# Altium PCB 400236.PcbDoc (part 1 of 5)
Units mm, origin at the board's own origin, x right, y up, seen from the top; angles counter-clockwise.
Board outline 136.53 x 63.5 mm, 4 copper layers (Top Layer, Mid-Layer 1, Mid-Layer 2, Bottom Layer), stack 1.505 mm thick; 340 components, 230 nets, 1369 pads, 1292 vias.
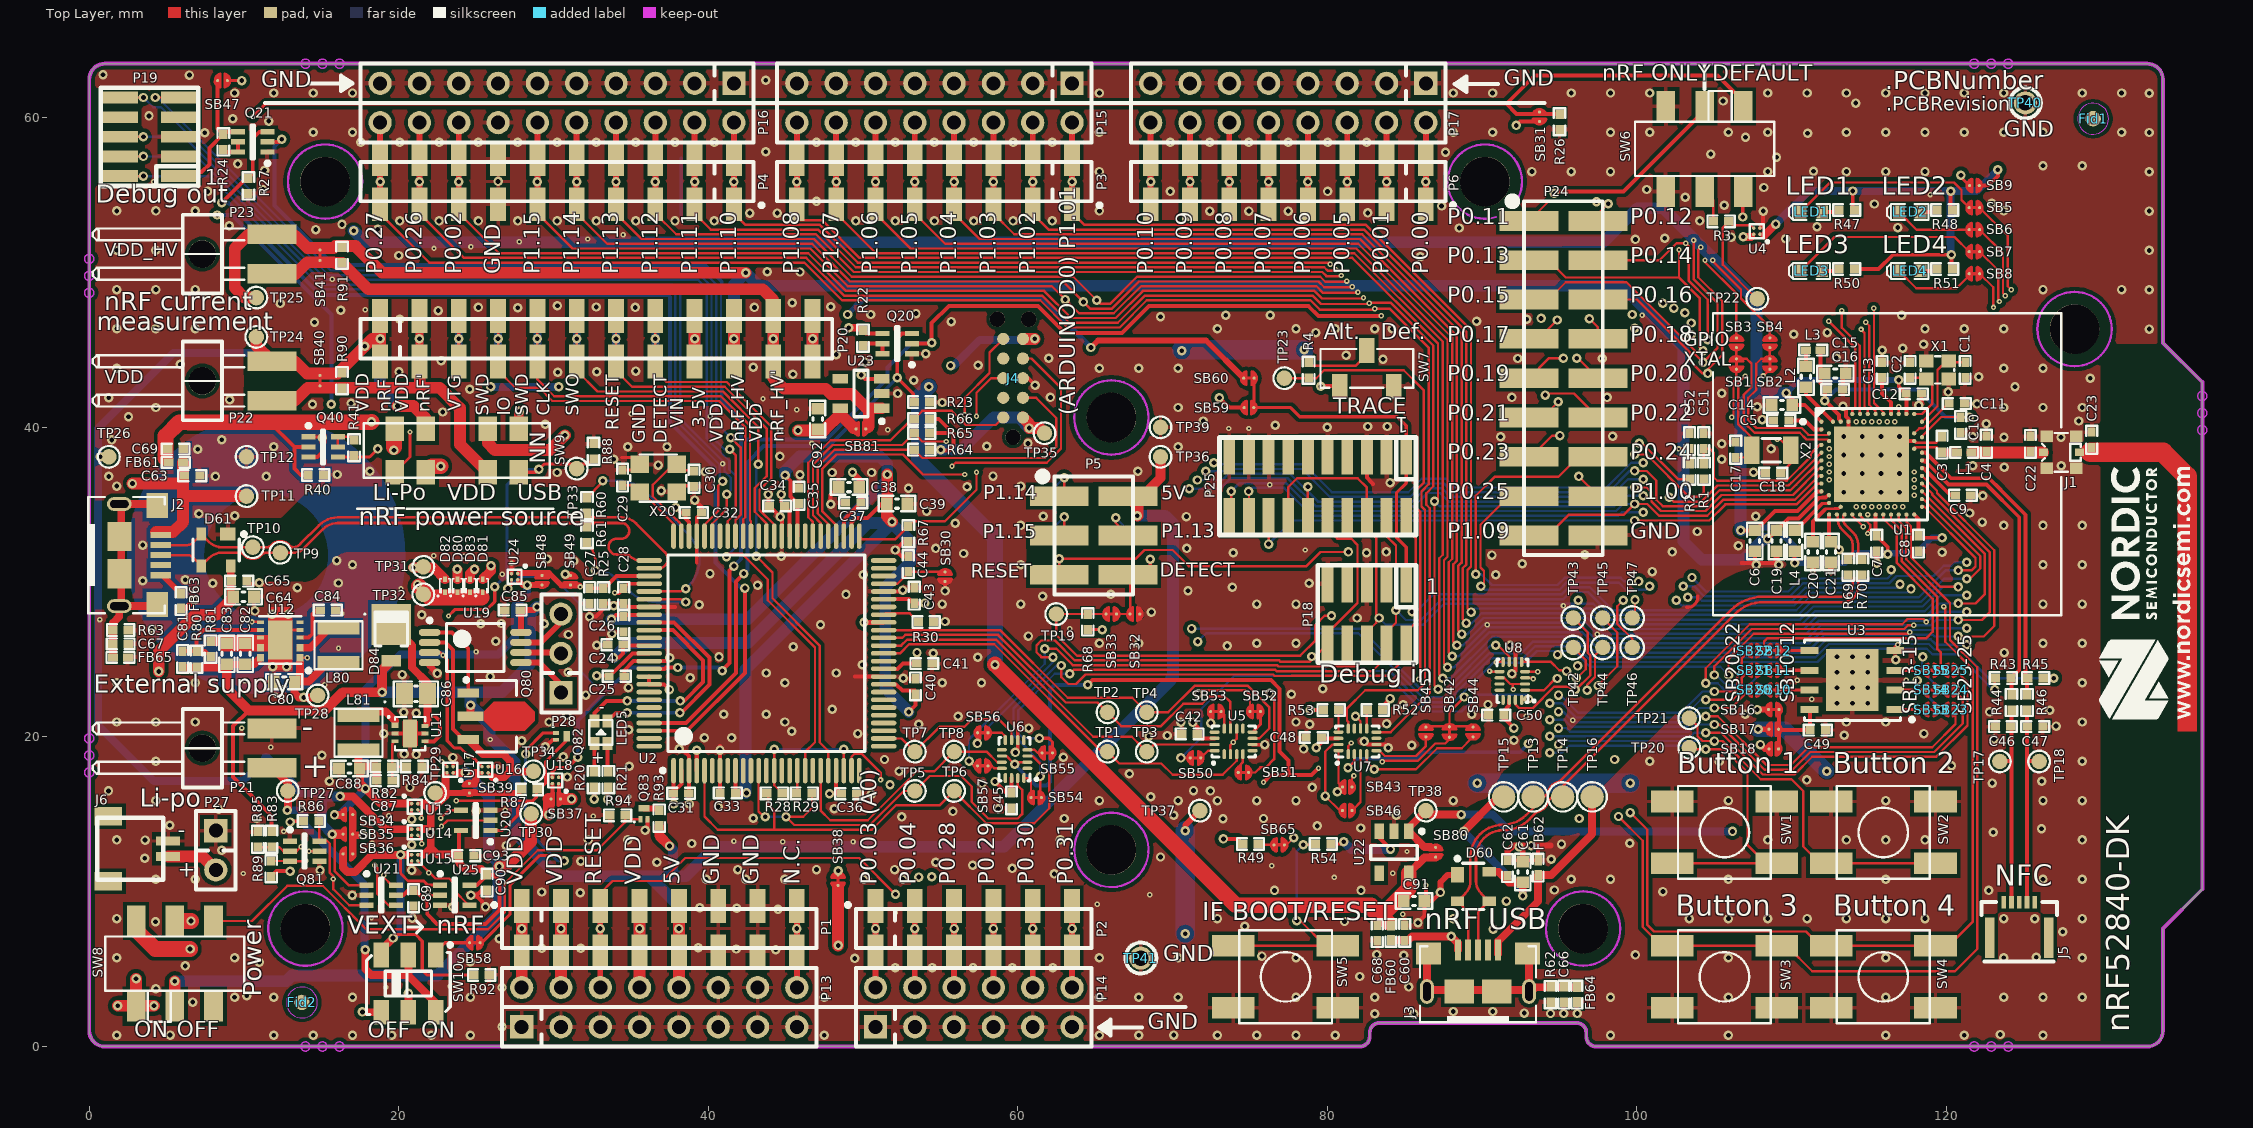
[diagram p0: Top Layer view]
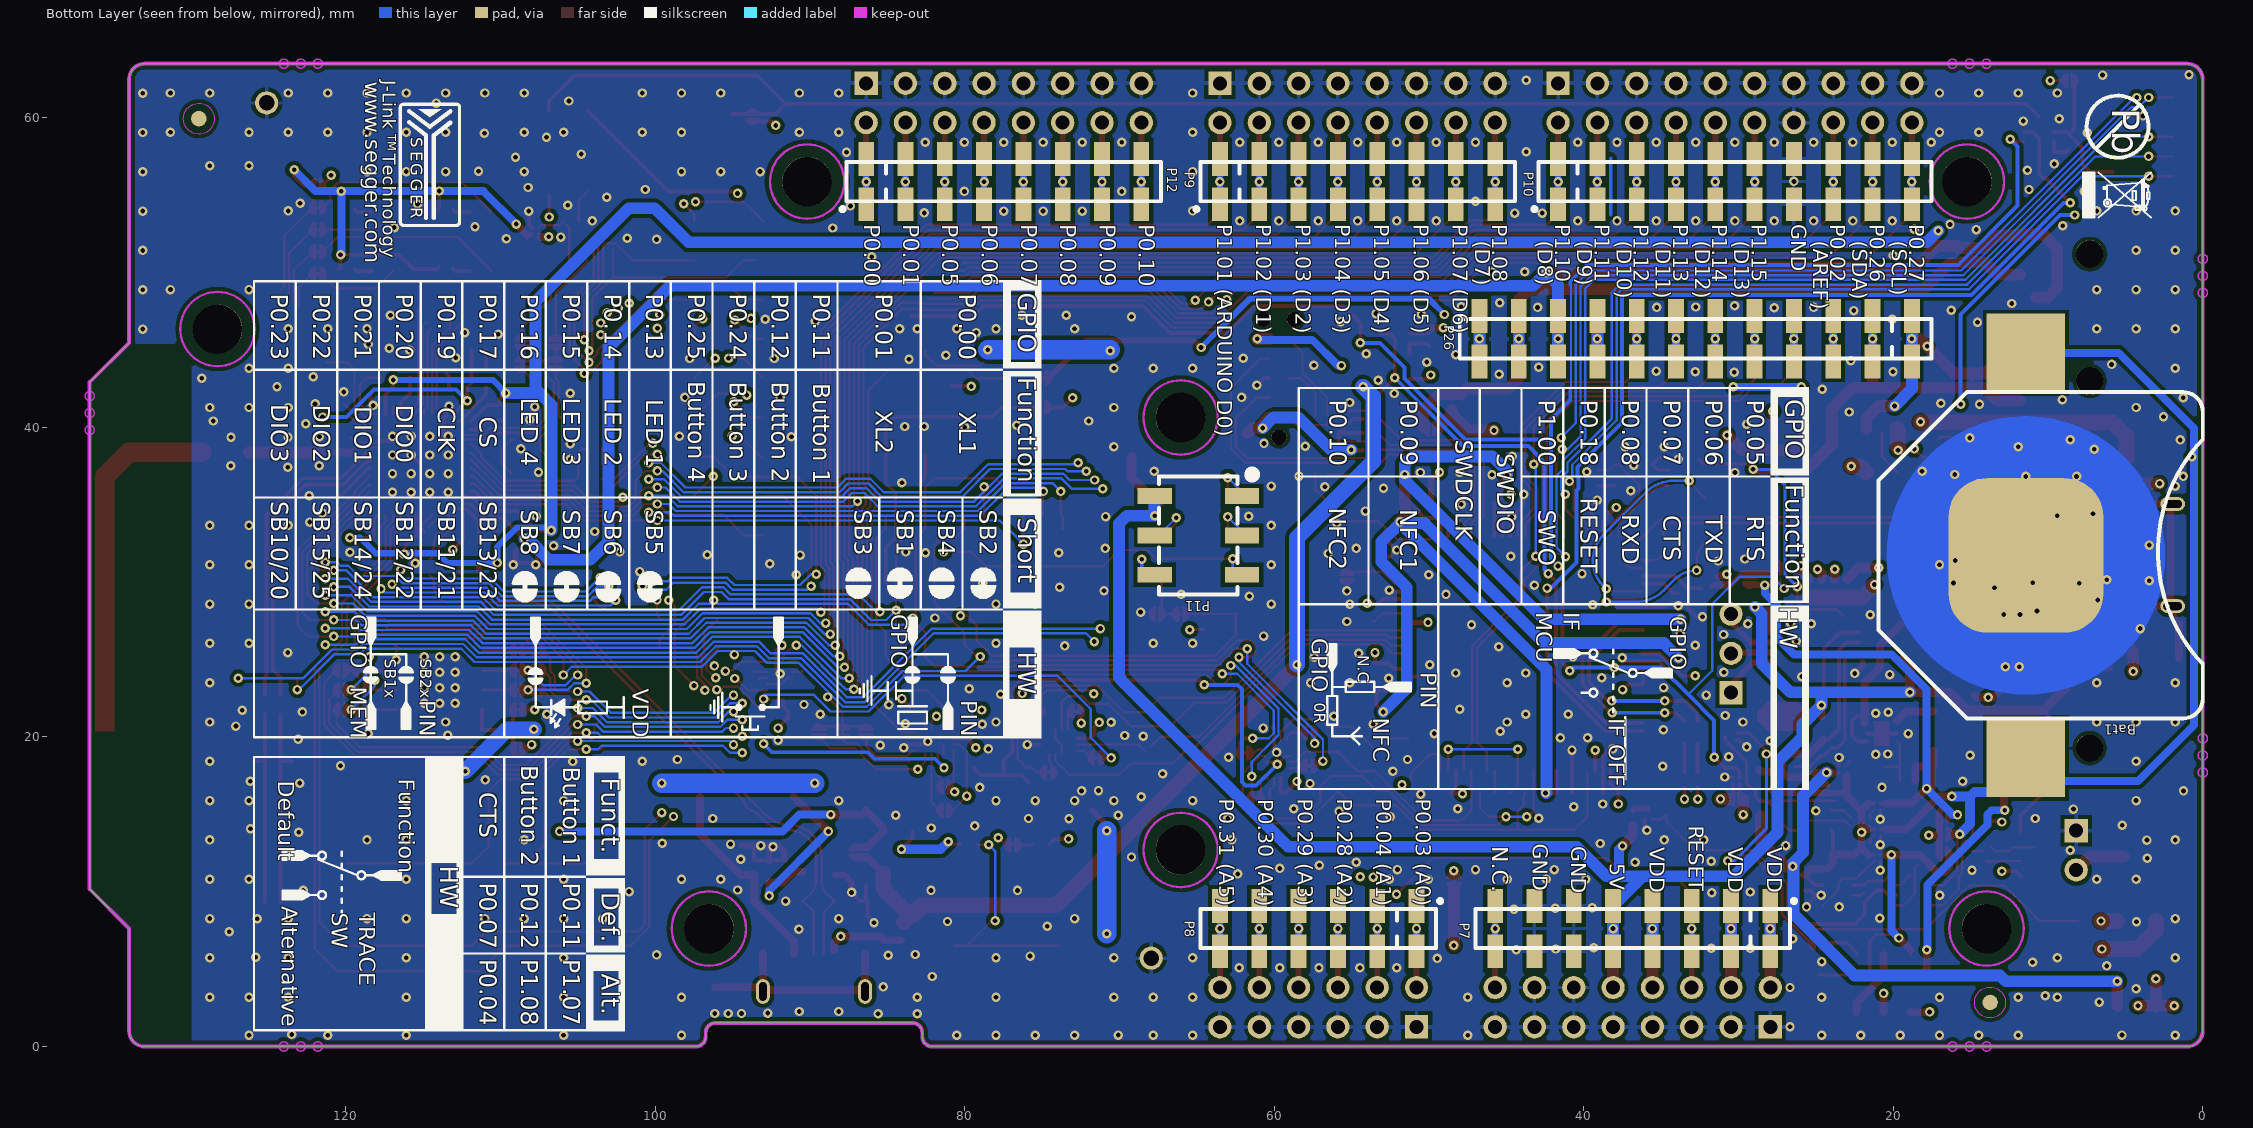
[diagram p1: Bottom Layer view, seen from below]
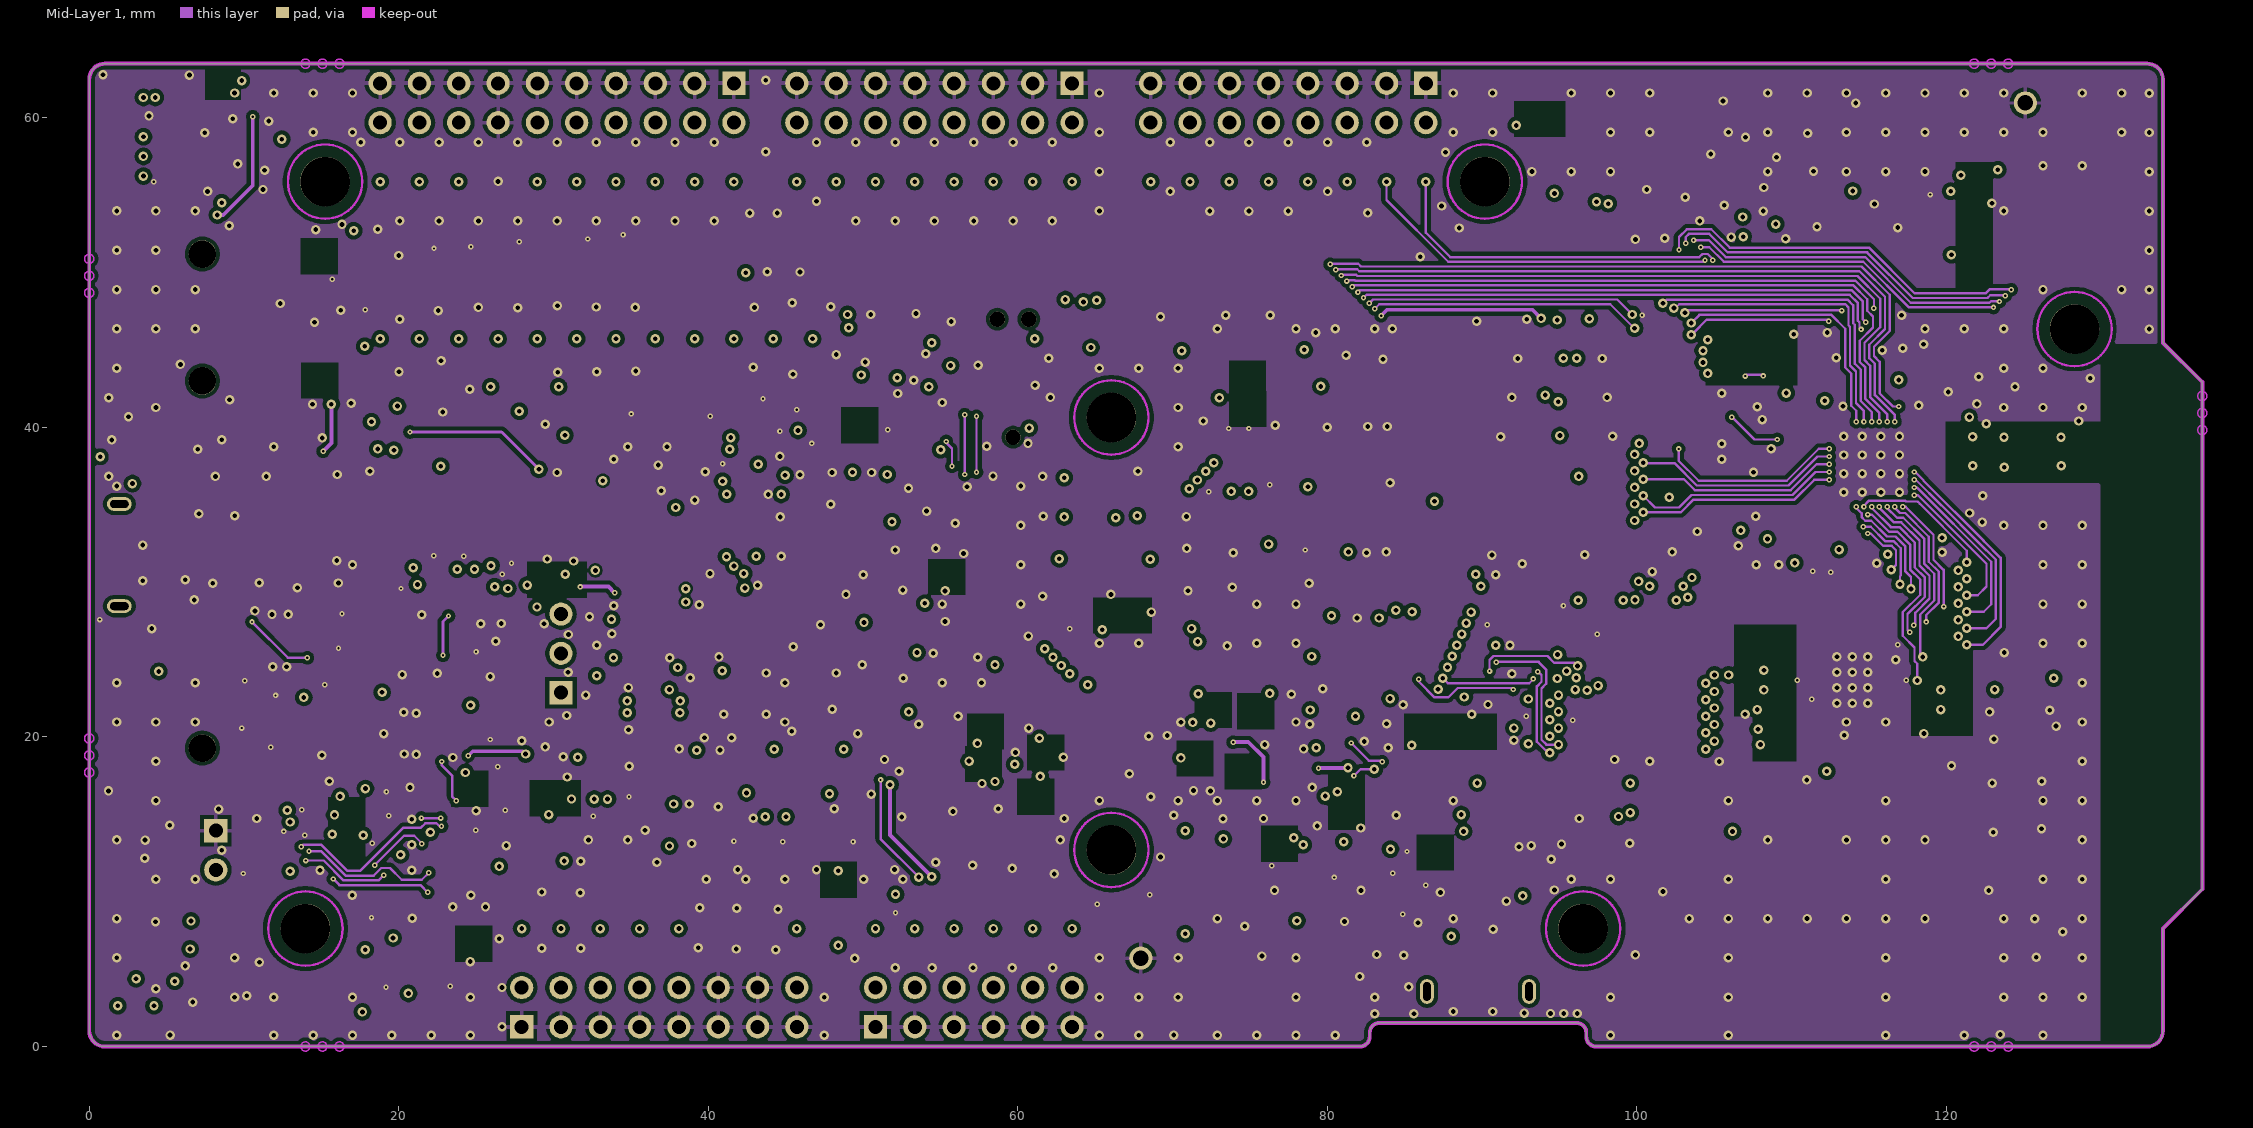
[diagram p2: Mid-Layer 1]
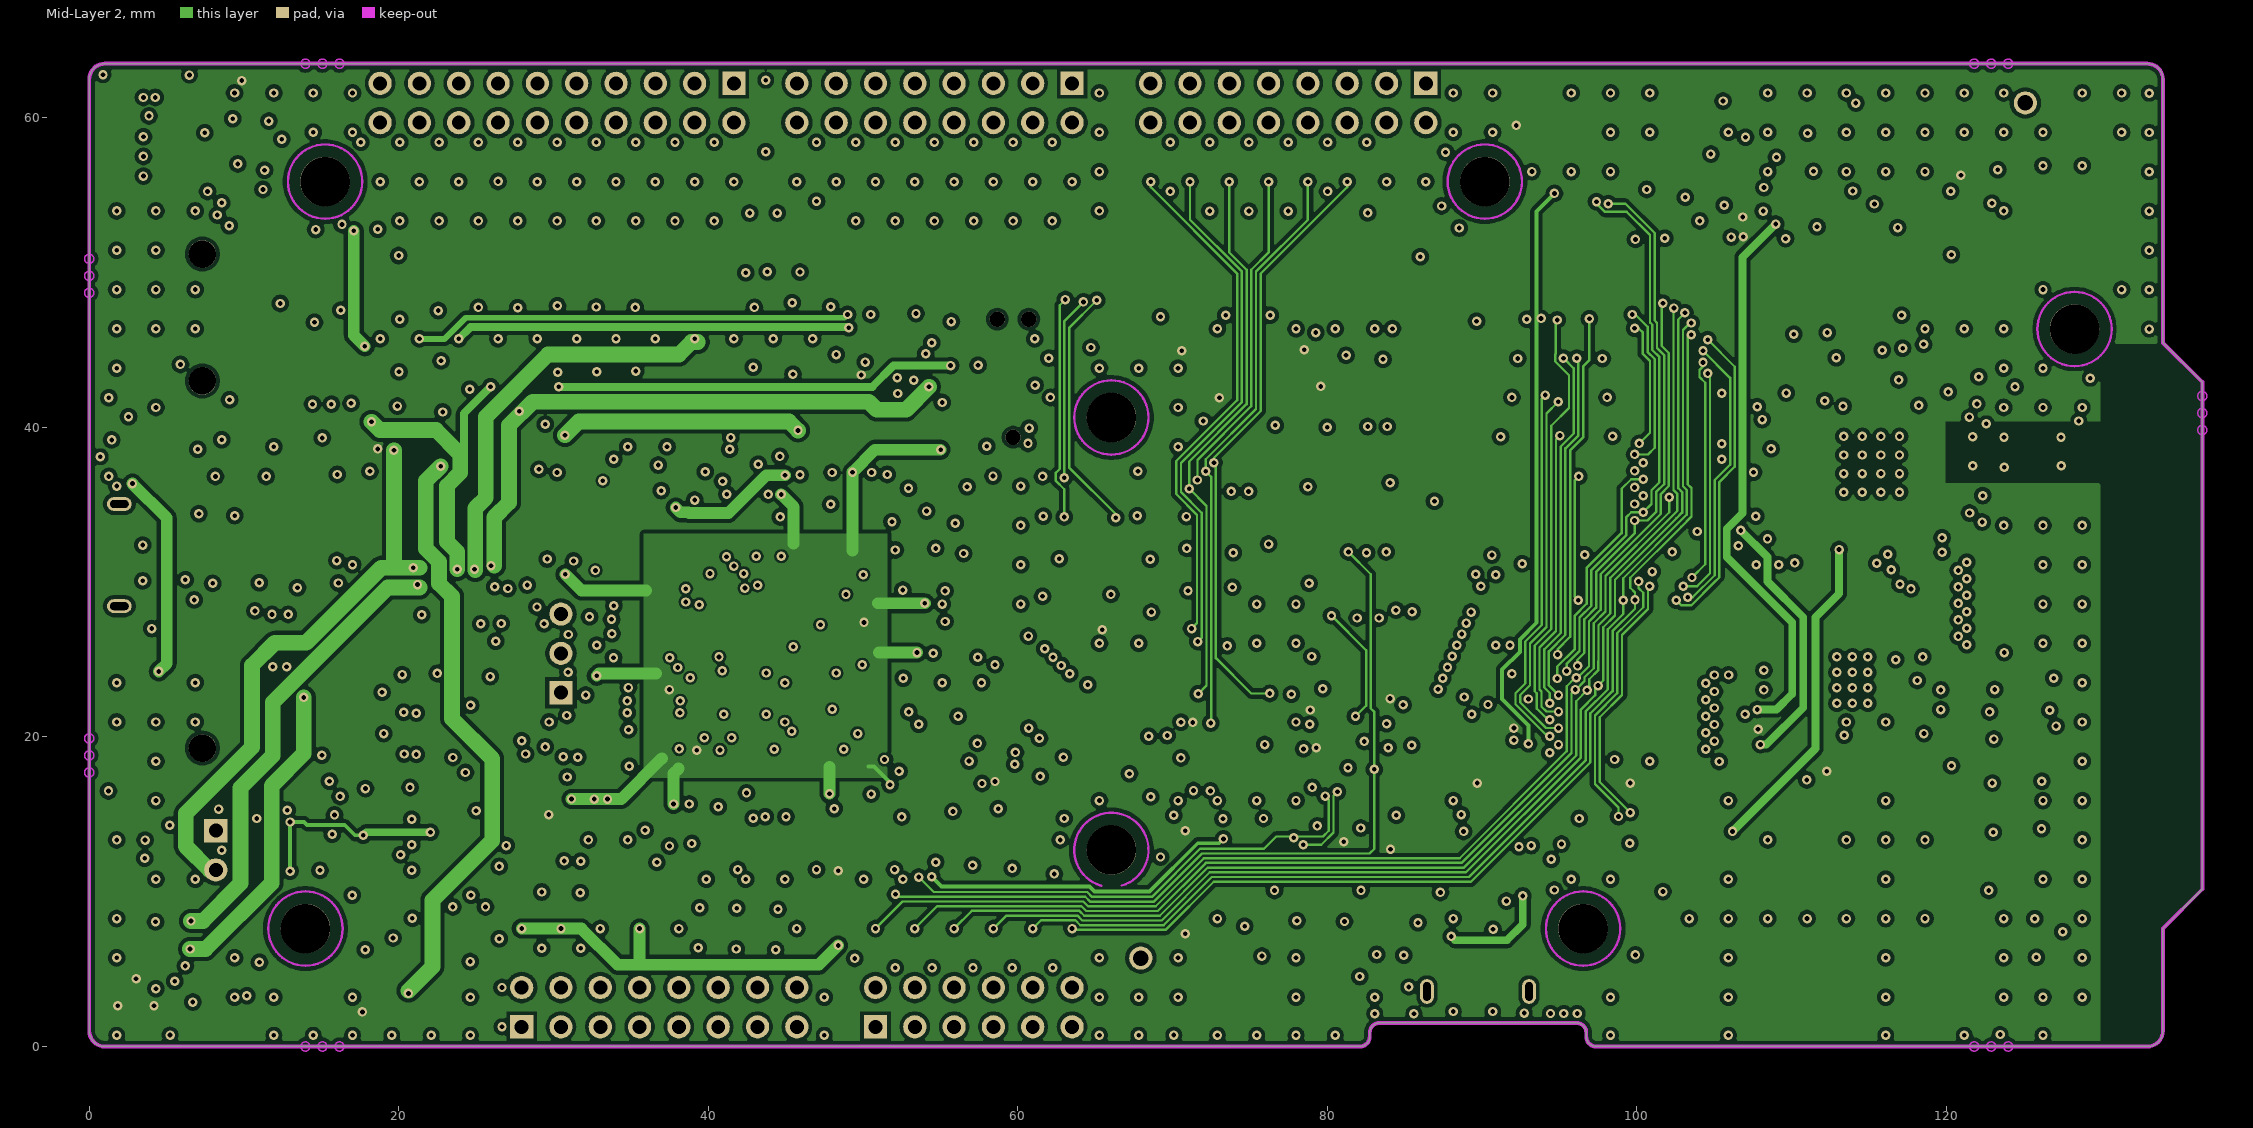
[diagram p3: Mid-Layer 2]
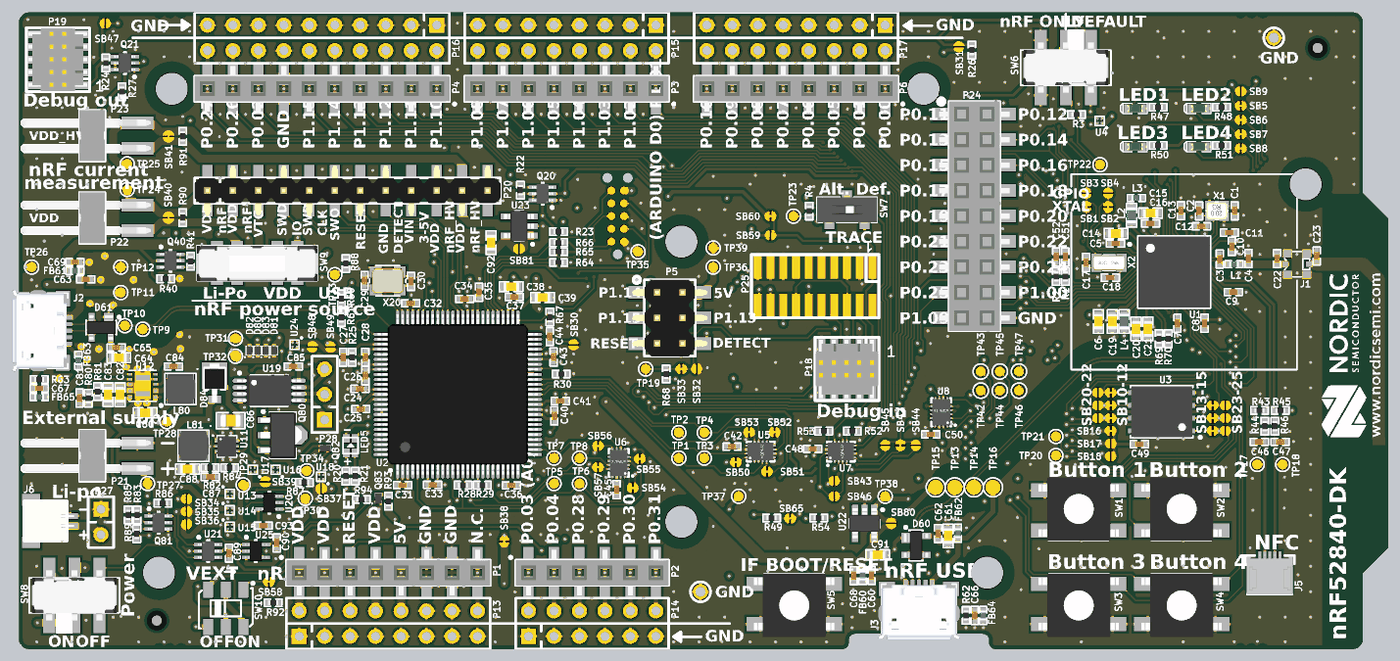
[diagram p8: 3D render of the assembled board from above, using the file's embedded part models]

## Layer stack, top to bottom
Top Solder: solder mask 0.0475, Solder Resist, Dk 3.5
Top Layer: signal copper 0.0175
Dielectric1: prepreg 0.1, FR-4, Dk 3.72
Mid-Layer 1: signal copper 0.035
Dielectric2: core 1.2, FR-4, Dk 3.72
Mid-Layer 2: signal copper 0.035
Dielectric3: prepreg 0.1, FR-4, Dk 3.72
Bottom Layer: signal copper 0.0175
Bottom Solder: solder mask 0.0475, Solder Resist, Dk 3.5

## Board outline
1.016,0 82.099,0 ccw(c82.099,0.635) 82.734,0.635 82.734,0.889 cw(c83.369,0.889) 83.369,1.524 96.09,1.524 cw(c96.09,0.889) 96.725,0.889 96.725,0.635 ccw(c97.36,0.635) 97.36,0 132.969,0 ccw(c132.969,1.016) 133.985,1.016 133.985,7.62 136.525,10.16 136.525,42.926 133.985,45.466 133.985,62.484 ccw(c132.969,62.484) 132.969,63.5 1.016,63.5 ccw(c1.016,62.484) 0,62.484 0,1.016 ccw(c1.016,1.016)

## Design rules (kind name [scope] priority, off if disabled: settings)
Clearance USB_Poly_Clearance [InNamedPolygon('Top_Layer-GND') vs InDifferentialPair('D') or InDifferentialPair('D*')] p1: gap=1.778 ignorepadtopadclearanceinfootprint=FALSE
Clearance "NPTH clearance" [Not PadIsPlated And HoleSize > 0] p2: gap=0.229 ignorepadtopadclearanceinfootprint=FALSE except(0: Arc-Hole Track-Hole SMDPad-Hole THPad-Hole Via-Hole Fill-Hole Poly-Hole Region-Hole Text-Hole)
Clearance USB_Clearance [(InDifferentialPairClass('All Differential Pairs'))] p3: gap=0.152 ignorepadtopadclearanceinfootprint=FALSE except(0: Arc-Hole Track-Hole SMDPad-Hole THPad-Hole Via-Hole Fill-Hole Poly-Hole Region-Hole Text-Hole)
Clearance ANT_Clerance [InNet('ANT')] p4: gap=0.2 ignorepadtopadclearanceinfootprint=FALSE
Clearance Polygon_Clearance [(InNamedPolygon('Top_Layer-GND')) or (InNamedPolygon('Bottom_Layer-GND')) or (InNamedPolygon('Mid_Layer_1-GND')) or (InNamedPolygon('Mid_Layer_2-VDD'))] p5: gap=0.254 ignorepadtopadclearanceinfootprint=FALSE except(0: Arc-Hole Track-Hole SMDPad-Hole THPad-Hole Via-Hole Fill-Hole Poly-Hole Region-Hole Text-Hole)
Clearance SB_Clearance [HasFootprint('Solderbridge') or HasFootprint('QFN40P180X140X55-10N')] p6: gap=0.127 ignorepadtopadclearanceinfootprint=FALSE except(0: Arc-Hole Track-Hole SMDPad-Hole THPad-Hole Via-Hole Fill-Hole Poly-Hole Region-Hole Text-Hole)
Clearance CSP_Clearance [HasFootprint('BGA4C40P2X2_76X76X62')] p7: gap=0.127 ignorepadtopadclearanceinfootprint=FALSE except(0: Arc-Hole Track-Hole SMDPad-Hole THPad-Hole Via-Hole Fill-Hole Poly-Hole Region-Hole Text-Hole)
Clearance P23_Clearance [HasFootprint('FPC_05P-0.5mm-RA-SMD')] p8: gap=0.127 ignorepadtopadclearanceinfootprint=FALSE except(0: Arc-Hole Track-Hole SMDPad-Hole THPad-Hole Via-Hole Fill-Hole Poly-Hole Region-Hole Text-Hole)
Clearance PSON35P100X50-8N_Clearance [HasFootprint('PSON35P100X50-8N')] p9: gap=0.15 ignorepadtopadclearanceinfootprint=FALSE except(0: Arc-Hole Track-Hole SMDPad-Hole THPad-Hole Via-Hole Fill-Hole Poly-Hole Region-Hole Text-Hole)
Clearance Top_layer_Clearance [All vs OnLayer('Top Layer')] p10: gap=0.145 ignorepadtopadclearanceinfootprint=FALSE
Clearance [All] p11: gap=0.15 ignorepadtopadclearanceinfootprint=FALSE except(0: Arc-Hole Track-Hole SMDPad-Hole THPad-Hole Via-Hole Fill-Hole Poly-Hole Region-Hole Text-Hole)
ComponentClearance [All] p1 off: gap=0.254 collisioncheckmode=3 verticalgap=0.254 showdistances=FALSE
DiffPairsRouting [All] p1: maxlimit=0.193 minlimit=0.191 mostfreqgap=0.193 toplayer_minwidth=0.165 toplayer_maxwidth=0.165 toplayer_prefwidth=0.165 midlayer1_minwidth=0.165 midlayer1_maxwidth=0.165 midlayer1_prefwidth=0.165 midlayer2_minwidth=0.165 midlayer2_maxwidth=0.165 midlayer2_prefwidth=0.165 bottomlayer_minwidth=0.165 bottomlayer_maxwidth=0.165 bottomlayer_prefwidth=0.165 maxuncoupledlength=12.7
FabricationTestPointUsage TestPointUsage [All] p1: valid=0 allowmultiple=FALSE
FabricationTestpoint Testpoint [All] p1: side=3 testpointundercomponent=TRUE minsize=1.016 maxsize=2.54 preferedsize=1.524 minholesize=0 maxholesize=1.016 preferedholesize=0.813 testpointgrid=0.025 allowsidetop=TRUE allowsidebottom=TRUE usegrid=TRUE gridtolerance=0
Height [All] p1 off: minheight=0 maxheight=25.4 prefheight=12.7
HoleSize [All] p1: absolutevalues=TRUE maxlimit=5 minlimit=0.15 maxpercent=80.000 minpercent=20.000
MinimumAnnularRing [All] p1 off: minimumring=0.152
NetAntennae NetAntennae_ANT [InNet('ANT')] p1: netantennaetolerance=40
NetAntennae [All] p2: netantennaetolerance=0
PolygonConnect PolygonConnect_1 [isVia and innet(gnd) or isVia and innet('VDD') or HasFootprint('COAXIAL-SWF') or isVia and innet('VDD_SAM')] p1: connectstyle=Direct reliefconductorwidth=0.254 reliefentries=4 polygonreliefangle="90 Angle" airgapwidth=0.254
PolygonConnect [All] p2: connectstyle=Relief reliefconductorwidth=0.254 reliefentries=4 polygonreliefangle="90 Angle" airgapwidth=0.254
RoutingVias [All] p1: holewidth=0.305 width=0.61 viastyle="Through Hole" minholewidth=0.15 minwidth=0.35 maxholewidth=0.305 maxwidth=0.61
SilkToSolderMaskClearance SilkscreenOverComponentPads [IsPad] p1: minsilkscreentomaskgap=0.254 clearancetoexposedcopper=TRUE
SolderMaskExpansion [All] p1: expansion=0.076
UnpouredPolygon [All] p1 off:
Width Width_Diff [(InDifferentialPairClass('All Differential Pairs'))] p1: maxlimit=0.165 minlimit=0.165 preferedwidth=0.165
Width [All] p2: maxlimit=10.16 minlimit=0.145 preferedwidth=0.152 midlayer1_minwidth=0.152 midlayer2_minwidth=0.152 bottomlayer_minwidth=0.152 minimp=50.000000 maximp=50.000000 favimp=50.000000
21 further rules are at their usual default settings.

## Classes and differential pairs
differential pair D: +D_P -D_N
differential pair D*: +D*_P -D*_N
differential pair DHSD: +DHSD_P -DHSD_N
differential pair DFSD: +DFSD_P -DFSD_N

## Components (designator, comment, footprint, x,y, rotation, side; value= is the part's Value field where it differs from the comment)
Bat1 "Bat Holder CR2032" CR2032_HOLDER_SMD 11.43,31.735 r270 bottom locked
C1 "12pF" CAPC1005X04L 121.203,43.713 r270 top
C2 "12pF" CAPC1005X04L 117.647,43.713 r90 top
C3 "1.0pF" CAPC1005X04L 119.715,38.893 r270 top
C4 "1.0pF" CAPC1005X04L 122.57,38.938 r270 top
C5 "100nF" CAPC1005X04L 109.324,40.455 r180 top
C6 "4.7µF" CAPC1608X06L 107.613,32.667 r270 top
C7 "100nF" CAPC1005X04L 115.49,32.492 r270 top
C8 "100nF" CAPC1005X04L 118.189,32.492 r270 top
C9 "820pF" CAPC1005X04L 121.064,35.617 r0 top
C10 "N.C." CAPC1005X04L 120.919,40.157 r90 top
C11 "100pF" CAPC1005X04L 120.664,41.542 r0 top
C12 "100nF" CAPC1005X04L 117.889,42.167 r0 top
C13 "N.C." CAPC1005X04L 115.839,43.717 r90 top
C14 "1.0µF" CAPC1608X06L 109.364,41.444 r180 top
C15 "1.0µF" CAPC1608X06L 112.814,43.481 r180 top
C16 "47nF" CAPC1005X04L 112.801,42.443 r0 top
C17 "12pF" CAPC1005X04L 106.385,38.55 r270 top
C18 "12pF" CAPC1005X04L 108.798,37.052 r0 top
C19 "4.7µF" CAPC1608X06L 109.014,32.667 r270 top
C20 "4.7µF" CAPC1608X06L 111.364,31.942 r270 top
C21 "4.7µF" CAPC1608X06L 112.539,31.942 r270 top
C22 "N.C." CAPC1005X04L 125.423,38.935 r90 top
C23 "1.2pF" CAPC1005X04L 129.379,39.204 r90 top
C24 "100nF" CAPC1005X04L 34.001,25.959 r0 top
C25 "100nF" CAPC1005X04L 34.077,23.927 r180 top
C26 "100nF" CAPC1005X04L 34.534,27.28 r90 top
C27 "10pF" CAPC1005X04L 32.324,29.108 r90 top
C28 "100nF" CAPC1005X04L 34.534,29.108 r90 top
C29 "18pF" CAPC1005X04L 34.458,36.754 r90 top
C30 "18pF" CAPC1005X04L 39.081,36.678 r270 top
C31 "100nF" CAPC1005X04L 38.242,16.358 r180 top
C32 "100nF" CAPC1005X04L 39.055,34.493 r0 top
C33 "100nF" CAPC1005X04L 41.25,16.383 r0 top
C34 "100nF" CAPC1005X04L 44.44,34.925 r0 top
C35 "100nF" CAPC1005X04L 45.862,35.585 r270 top
C36 "100nF" CAPC1005X04L 49.098,16.332 r180 top
C37 "100nF" CAPC1005X04L 49.368,35.128 r0 top
C38 "10µF" CAPC1608X06L 49.088,36.144 r0 top
C39 "10µF" CAPC1608X06L 52.197,35.077 r180 top
C40 "100nF" CAPC1005X04L 53.381,23.266 r270 top
C41 "100nF" CAPC1005X04L 53.965,24.74 r180 top
C42 "100nF" CAPC1005X04L 71.095,20.193 r0 top
C43 "100nF" CAPC1005X04L 53.305,29.134 r270 top
C44 "10nF" CAPC1005X04L 52.924,31.166 r270 top
C45 "100nF" CAPC1005X04L 59.588,15.9 r90 top
C46 "300pF" CAPC1005X04L 123.647,20.669 r180 top
C47 "300pF" CAPC1005X04L 125.73,20.669 r180 top
C48 "100nF" CAPC1005X04L 79.121,19.964 r0 top
C49 "100nF" CAPC1005X04L 111.684,20.447 r180 top
C50 "100nF" CAPC1005X04L 90.907,21.412 r0 top
C51 "N.C." CAPC1005X04L 104.318,39.116 r270 top
C52 "N.C." CAPC1005X04L 103.403,39.116 r90 top
C60 "10nF" CAPC1005X04L 84.995,7.341 r270 top
C61 "10µF" CAPC1608X06L 92.623,11.278 r270 top
C62 "100nF" CAPC1005X04L 91.632,11.532 r270 top
C63 "10nF" CAPC1005X04L 6.655,36.881 r0 top
C64 "10µF" CAPC1608X06L 9.972,29.058 r180 top
C65 "100nF" CAPC1005X04L 9.693,30.074 r180 top
C66 "100nF" CAPC1005X04L 95.282,3.355 r90 top
C67 "100nF" CAPC1005X04L 2.028,26.01 r180 top
C68 "100nF" CAPC1005X04L 83.223,7.328 r90 top
C69 "100nF" CAPC1005X04L 5.578,38.6 r180 top
C80 "10µF" CAPC1608X06L 12.598,23.571 r0 top
C81 "15pF" CAPC1005X04L 6.045,25.044 r270 top
C82 "10µF" CAPC1608X06L 10.084,25.375 r270 top
C83 "10µF" CAPC1608X06L 8.89,25.375 r270 top
C84 "470nF" CAPC1005X04L 15.418,28.194 r180 top
C85 "100nF" CAPC1005X04L 27.356,28.194 r0 top
C86 "4.7µF" CAPC2012X11L 21.107,22.784 r0 top
C87 "150pF" CAPC1005X04L 19.075,17.17 r180 top
C88 "10µF" CAPC1608X06L 16.815,17.958 r0 top
C89 "100nF" CAPC1005X04L 20.955,9.576 r90 top
C90 "100nF" CAPC1005X04L 25.705,10.592 r90 top
C91 "1.0µF" CAPC1608X06L 85.598,9.398 r180 top
C92 "1.0µF" CAPC1608X06L 47.066,40.538 r270 top
C93 "100nF" CAPC1005X04L 24.359,12.319 r180 top
D60 "PRTR5V0U2X" SOT190P230X110-4L 89.427,10.34 r0 top
D61 "PRTR5V0U2X" SOT190P230X110-4L 8.194,32.08 r270 top
D80 "NSR0620P2T5G" SODFL100X40-2N 23.8,29.766 r90 top
D81 "NSR0620P2T5G" SODFL100X40-2N 25.425,29.766 r90 top
D82 "NSR0620P2T5G" SODFL100X40-2N 22.987,29.766 r90 top
D83 "NSR0620P2T5G" SODFL100X40-2N 24.613,29.766 r90 top
D84 "MBRM110E" DO-216AA 19.507,26.568 r270 top
FB60 "120R/0.55A" INDC1005X04L 84.106,7.341 r90 top
FB61 "120R/0.55A" INDC1005X04L 5.585,37.734 r180 top
FB62 "120R/0.55A" INDC1005X04L 93.614,11.558 r90 top
FB63 "120R/0.55A" INDC1005X04L 5.933,28.779 r270 top
FB64 "120R/0.55A" INDC1005X04L 96.12,3.355 r270 top
FB65 "120R/0.55A" INDC1005X04L 2.021,25.139 r0 top
Fid1 "Fiducial mark" Fiducial 129.471,59.944 r180 top
Fid2 "Fiducial mark" Fiducial 13.743,2.845 r0 top
J1 "MM8130-2600" COAXIAL-SWF 127.423,38.391 r90 top
J2 "MicroUSB-B" USB-Micro-B-RA-SMD-PiP 4.619,31.75 r0 top
J3 "MicroUSB-B" USB-Micro-B-RA-SMD-PiP 89.729,6.232 r90 top
J4 "TC2050-IDC" TC2050-IDC-NLFP 59.69,43.18 r90 top
J5 "FPC 0.5mm RA SMD" FPC_05P-0.5mm-RA-SMD 123.698,9.328 r0 top
J6 "HDR-2, 1mm" SM02B-SRSS-TB 5.105,12.776 r270 top
L1 "3.9nH" INDC1005X04L 121.138,38.385 r0 top
L2 "10µH" INDC1608X06L 110.914,43.267 r270 top
L3 "15nH" INDC1005X04L 111.389,44.992 r180 top
L4 "10µH" INDC1608X06L 110.189,32.667 r90 top
L80 "2.2µH" TY-NR3015 16.104,25.933 r270 top
L81 "4.7µH" TY-NR3015 17.399,20.269 r270 top
LED1 "L0603G" LED_0603_G 111.273,53.917 r0 top
LED2 "L0603G" LED_0603_G 117.623,53.917 r0 top
LED3 "L0603G" LED_0603_G 111.273,50.107 r0 top
LED4 "L0603G" LED_0603_G 117.623,50.107 r0 top
LED5 "LED RG" LED_DUAL_0606 33.061,20.295 r180 top
P1 "Socket 1x8" SOCKET_1x8_SMD 27.94,7.62 r0 top locked
P2 "Socket 1x6" SOCKET_1x6_SMD 50.8,7.62 r0 top locked
P3 "Socket 1x8" SOCKET_1x8_SMD 63.5,55.88 r180 top locked
P4 "Socket 1x10" SOCKET_1x10_SMD 41.656,55.88 r180 top locked
P5 "Pin Hdr 2x3" HDR_2x3-SMD 64.897,33.02 r270 top locked
P6 "Socket 1x8" SOCKET_1x8_SMD 86.36,55.88 r180 top locked
P7 "Pin List 1x8" LIST_1x8_SMD-NC 27.94,7.62 r0 bottom locked
P8 "Pin List 1x6" LIST_1x6_SMD-NC 50.8,7.62 r0 bottom locked
P9 "Pin List 1x8" LIST_1x8_SMD-NC 63.5,55.88 r180 bottom locked
P10 "Pin List 1x10" LIST_1x10_SMD-NC 41.656,55.88 r180 bottom locked
P11 "Socket 2x3" SOCKET_2x3_SMD-2.54mm-bottom-NC 64.897,33.02 r270 top locked
P12 "Pin List 1x8" LIST_1x8_SMD-NC 86.36,55.88 r180 bottom locked
P13 "Pin Header 2x8" HDR_2x8-NC 36.83,2.54 r0 top locked
P14 "Pin Header 2x6" HDR_2x6-NC 57.15,2.54 r0 top locked
P15 "Pin Header 2x8" HDR_2x8-NC 54.61,60.96 r180 top locked
P16 "Pin Header 2x10" HDR_2x10-NC 30.226,60.96 r180 top locked
P17 "Pin Header 2x8" HDR_2x8-NC 77.47,60.96 r180 top locked
P18 "Pin Header 2x5, 1.27mm" HDR_2x5-SMD-1.27mm-K 82.55,27.94 r180 top locked
P19 "Pin Header 2x5, 1.27mm" HDR_2x5-SMD-1.27mm-K 3.886,58.776 r90 top
P20 "Pin List 1x12" LIST_1x12_SMD 18.796,45.72 r0 top locked
P21 "Pin List 1x2, Angled" LIST_ANG_1x2-SMD-2.54MM 11.811,19.279 r270 top
P22 "Pin List 1x2, Angled" LIST_ANG_1x2-SMD-2.54MM 11.811,43 r270 top
P23 "Pin List 1x2, Angled" LIST_ANG_1x2-SMD-2.54MM 11.811,51.2 r270 top
P24 "Socket 2x9" SOCKET_2x9_SMD-2.54mm 95.25,43.18 r270 top locked
P25 "Pin Header 2x10, 1.27mm" HDR_2x10-SMD-1.27mm-NC 79.375,36.195 r180 top locked
P26 "Socket 1x12" LIST_1x12_SMD-NC 18.796,45.72 r0 bottom locked
P27 "Pin List 1x2" LIST_1x2-NC 8.179,12.675 r270 top locked
P28 "Pin List 1x3" LIST_1x3-NC 30.48,25.4 r90 top locked
Q20 "FDG6321C" SOT65P210X100-6N 52.205,45.415 r180 top
Q21 "FDG6321C" SOT65P210X100-6N 10.566,58.445 r180 top
Q40 "FDG6321C" SOT65P210X100-6N 15.113,38.735 r0 top
Q80 "FCX690BTA" SOT89-150P409X160-3N 26.289,21.336 r0 top
Q81 "FDG6303N" SOT65P210X100-6N 13.919,12.624 r0 top
Q82 "RV2C010UNT2L" DFN65P100X40-3L 30.505,20.041 r0 top